# Allegro board KIT_PSE84_AI_PSOC_Edge_E84_AI_Board_Layout.brd (continued)
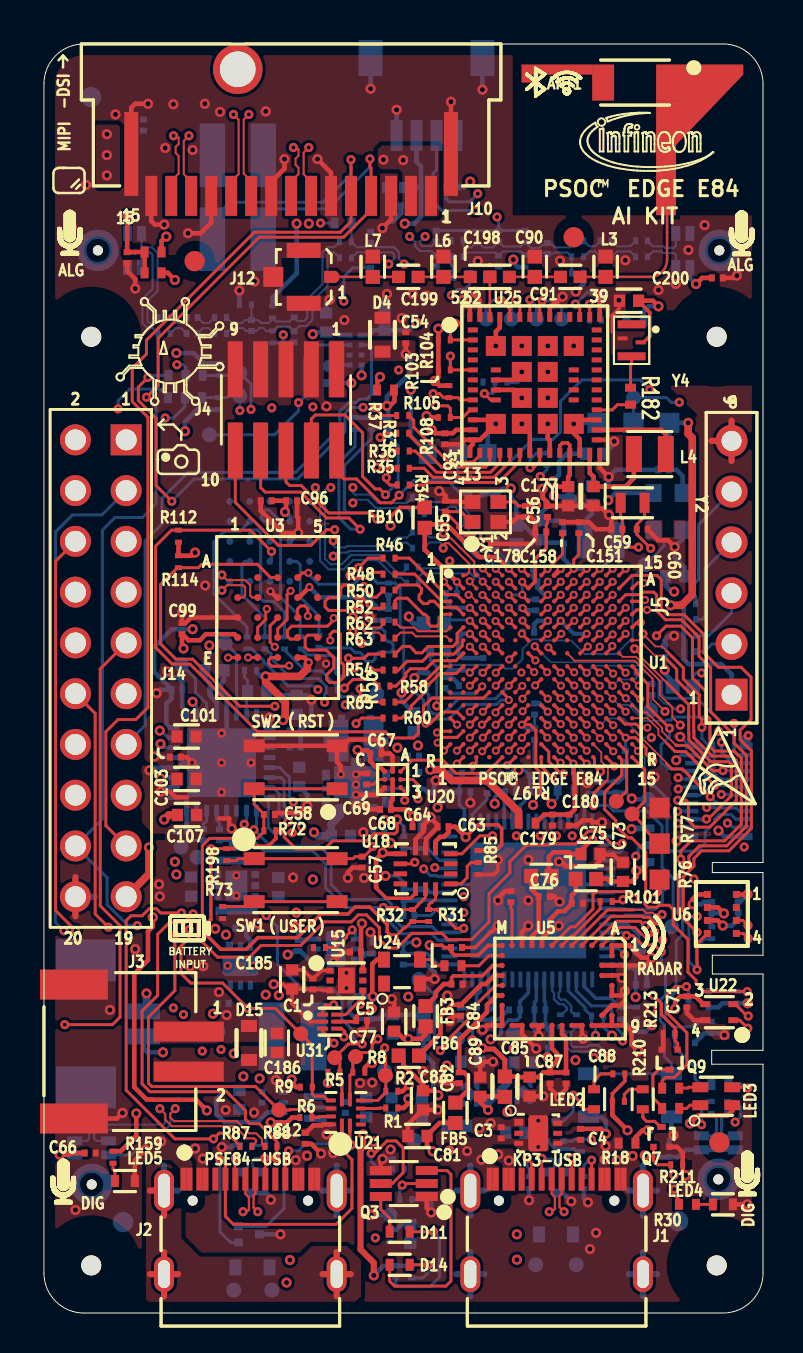
[diagram p0: board, top side]
## Nets (continued)
GND_EARTH: C13.1 J1.SH1 J1.SH2 J1.SH3 J1.SH4 J2.SH1 J2.SH2 J2.SH3 J2.SH4 R7.1
GND_SIGNAL: C1.1 C3.1 C4.1 C5.1 C6.1 C7.1 C8.1 C9.1 C11.1 C12.2 C13.2 C14.2 C16.2 C17.2 C21.2 C28.2 C30.2 C31.2 C35.2 C36.2 C37.2 C38.2 C39.2 C40.2 C41.2 C42.2 C43.2 C44.2 C45.2 C46.2 C47.2 C48.2 C49.2 C50.2 C51.2 C52.2 C53.2 C54.2 C55.2 C56.2 C57.2 C58.2 C59.1 C60.1 C61.2 C62.2 C63.1 C64.2 C65.2 C66.2 C67.2 C68.2 C69.2 C70.2 C71.2 C72.1 C73.2 C74.2 C75.2 C76.2 C77.2 C78.2 C79.2 C80.2 C81.2 C82.2 C83.2 C84.2 C85.2 C86.2 C87.2 C88.2 C89.2 C92.2 C93.2 C94.2 C95.2 C96.2 C97.2 C98.2 C99.2 C100.2 C101.2 C102.2 C103.2 C104.2 C107.2 C108.2 C109.2 C110.2 C111.2 C112.2 C113.2 C114.2 C115.2 C116.2 C118.2 C123.2 C124.2 C126.2 C136.2 C137.2 C138.2 C139.2 C140.2 C141.2 C142.2 C143.2 C144.2 C145.2 C146.2 C147.2 C148.2 C149.2 C150.2 C151.2 C152.2 C153.2 C154.2 C155.2 C156.2 C157.2 C158.2 C159.2 C160.2 C161.2 C162.2 C163.2 C164.2 C165.2 C166.2 C167.2 C168.2 C169.2 C170.2 C171.2 C172.2 C173.2 C174.2 C175.2 C176.2 C177.2 C178.2 C179.2 C180.2 C182.2 C183.2 C184.2 C185.2 C186.2 C189.2 C191.2 C194.2 C196.2 C197.2 C200.2 C203.1 C204.2 C205.2 D1.A D2.A D4.A D15.A J1.A1 J1.A12 J1.B1 J1.B12 J2.A1 J2.A12 J2.B1 J2.B12 J3.2 J3.SH1 J3.SH2 J4.3 J4.5 J4.7 J4.9 J5.6 J7.1 J7.SH1 J7.SH2 J8.SH1 J8.SH2 J10.3 J10.6 J10.9 J10.12 J10.15 J10.SH1 J10.SH2 J12.G1 J12.G2 J12.G3 J14.20 J16.3 J17.4 J17.SH1 J17.SH2 J17.SH3 J17.SH4 L2.1 L3.1 L6.1 L7.1 LED4.K(CATHODE) LED5.K(CATHODE) Q3.1 Q3.4(S) Q7.S Q8.S Q9.S Q10.S Q11.S R3.2 R4.2 R7.2 R11.2 R16.2 R22.1 R24.1 R27.1 R73.1 R77.2 R80.2 R84.2 R86.2 R110.1 R126.1 R135.1 R155.2 R173.1 R187.1 R191.1 R211.1 R212.1 R213.1 R214.1 R215.1 R216.2 SW2.3 SW2.4 SW3.3 SW3.4 TP2.1(TP) TP10.1(TP) TP17.1(TP) TP47.1(TP) U1.A9 U1.B5 U1.B13 U1.C8 U1.C10 U1.C11 U1.C12 U1.C13 U1.D3 U1.D7 U1.D9 U1.D11 U1.D12 U1.D13 U1.E8 U1.E12 U1.F3 U1.G13 U1.H3 U1.H12 U1.J13 U1.K12 U1.L3 U1.L8 U1.L13 U1.N3 U1.N10 U1.R7 U2.5 U2.7 U2.8 U2.9 U2.25 U2.43 U2.45 U2.58 U2.62 U2.63 U2.H U3.B3 U3.C1 U3.E5(VSSQ_2) U4.B3 U5.A1 U5.A2 U5.A3 U5.A4 U5.A5 U5.A6 U5.A7 U5.A8 U5.A9 U5.B3 U5.B4 U5.B8 U5.B9 U5.C9(VSSRF_9) U5.D9 U5.E9 U5.H9 U5.J9 U5.K1 U5.K9 U5.L9 U5.M7 U5.M9 U6.1 U6.7 U7.5 U8.4 U8.5 U9.4 U9.5 U10.4 U10.5 U13.8 U15.3(VSS) U15.H U18.6 U18.7 U19.3 U20.B1 U20.C3 U21.10 U22.4(VSS) U23.3(VSS) U23.H U24.2 U25.10 U25.12 U25.13 U25.19 U25.21 U25.24 U25.26 U25.27 U25.29 U25.39 U25.44 U25.49 U25.51 U25.52 U25.53 U25.55 U25.56 U25.58 U25.59 U25.60 U25.61 U25.66 U25.67 U25.68 U25.69 U25.70 U25.71 U25.72 U26.3(VSS) U26.H U27.3(VSS) U27.H U28.1 U28.16 U28.18 U28.20 U28.25 U28.29 U28.H U29.1 U29.6 U30.3 U31.2 U33.2 U33.5 U34.2 U34.5 U34.H U35.2 U35.5 U36.3 U40.4 Y1.2 Y1.4(GND_2) Y3.2 Y4.G
VBAT_IN: C9.2 C186.1 D15.K(CATHODE) J3.1 TP8.1(TP) U23.4 U23.6
VCC_1V8: C73.1 C75.1 C81.1 C83.1 C89.1 C196.1 FB1.1 FB2.1 FB4.1 FB5.1 FB6.1 FB7.1 J17.3 R124.1 R225.1 TP50.1(TP) U33.1(OUT)
VCC_3V3: C77.1 C191.1 FB3.1 J17.2 TP51.1(TP) U35.1(OUT)
VCC_IN: C3.2 C7.2 C8.2 C14.1 C16.1 L1.1 U23.1 U26.1 U27.1 U29.5 U29.7
VDD_1V8: C5.2 C61.1 C62.1 C63.2 C64.1 C65.1 C66.1 C67.1 C68.1 C70.1 C71.1 C96.1 C97.1 C98.1 C99.1 C111.1 C112.1 C113.1 C114.1 C197.1 C200.1 C204.1 J5.1 R2.1 R5.2 R6.1 R8.2 R9.1 R76.1 R79.1 R85.2 R112.2 R114.2 R123.2 R192.2 R193.2 R194.2 R195.2 R196.2 R203.2 R204.1 R205.1 R208.2 R224.1 TP49.1(TP) U3.B4 U3.D1 U3.E4 U4.B4 U6.6(VDDIO) U6.8 U7.2(VDD) U7.4 U8.2(VDD) U18.5(VDDIO) U18.8 U18.12 U20.B2 U20.B3(VDDIO) U20.C1 U22.3 U28.2 U28.3 U31.5 U34.3(VOUT) U34.8 U40.8(VCCB) Y3.1 Y3.4(VDD) Y4.P(VDD)
VDD_3V3: C27.1 C28.1 C94.1 C95.1 C107.1 C108.1 C109.1 C110.1 C194.1 C203.2 J7.2 J14.19 R15.1 R153.2 R159.2 R188.2 R197.2 R206.2 R207.2 R217.2 TP48.1(TP) U13.11 U25.22 U25.23 U28.17 U28.28 U33.3 U33.4 U40.1
VDD_5V: C6.2 C12.1 C17.1 C21.1 C30.1 C31.1 C101.1 C102.1 C103.1 C104.1 C182.1 C183.1 C184.1 C189.1 C205.1 J16.1 J17.1 LED3.4 R10.1 R174.2 R190.2 R209.2 R210.2 TP12.1(TP) U13.6 U13.7 U13.9(PVIN) U15.6 U21.12 U28.21 U28.24 U29.3(VOUT) U34.4 U34.6 U35.3 U35.4
VDDA_RADAR: C76.1 FB2.2 U5.J1
VDDD_RADAR: C74.1 FB1.2 U5.H1
VDDIO_RADIO: C93.1 R103.1 R104.1 R105.1 R106.1 R107.1 R108.1 R109.1 R203.1 U25.11
VDDLF_RADAR: C78.1 FB3.2 U5.M3
VDDPLL_RADAR: C84.1 FB6.2 U5.M4
VDDRF_RADAR: C85.1 C86.1 C87.1 C88.1 FB7.2 U5.F9 U5.G9 U5.M1
VDDVCO_RADAR: C82.1 FB5.2 U5.M6
A_IO_P13_0: J17.20 U1.G8
A_IO_P13_1: J17.18 U1.G9
A_IO_P13_2: J17.16 U1.G10
A_IO_P13_3: J17.14 U1.F15
A_IO_P13_4: J17.12 U1.G11
A_IO_P13_5: J17.10 U1.G14
A_IO_P13_6: J17.8 U1.H11
A_IO_P13_7: J17.6 U1.H15
A_IO_P15_0: J17.5 U1.L15
A_IO_P15_1: J17.7 U1.K13
A_IO_P15_2: J17.9 U1.M15
A_IO_P15_3: J17.11 U1.K9
A_IO_P15_4: J17.13 U1.N15
A_IO_P15_5: J17.15 U1.K10
A_IO_P15_6: J17.17 U1.P15
A_IO_P15_7: J17.19 U1.K11
ALT_SER_INT_CONFIG_1: R76.2 R77.1 TP66.1(TP) U1.R15
ALT_SER_INT_CONFIG_2: R79.2 R80.1 TP65.1(TP) U1.M12
AMIC1_CTB_INN: C121.2 R132.2 U1.H13
AMIC1_CTB_INP: C116.1 R128.2 R227.2 U1.H10
AMIC1_CTB_OUT: C121.1 C122.1 R133.2 U1.H9
AMIC1_CTB_REF: R227.1 U1.J10
AMIC2_CTB_INN: C129.2 R141.2 U1.J15
AMIC2_CTB_INP: C124.1 R137.2 R228.2 U1.J9
AMIC2_CTB_OUT: C129.1 C130.1 R142.2 U1.K15
AMIC2_CTB_REF: R228.1 U1.J14
AMIC_1V8: C118.1 C126.1 R124.2 R125.1 R134.1 R224.2 U9.2(VDD) U10.2(VDD)
BOOT: R189.1 U1.N8
BT_DEV_WAKE: R106.2 U1.D15 U25.40
BT_HOST_WAKE: R107.2 U1.D14 U25.41
BT_REG_ON: R105.2 U1.E14 U25.8
BT_UART_CTS_MCU_RTS: TP55.1(TP) U1.A14 U25.48
BT_UART_RTS_MCU_CTS: TP56.1(TP) U1.C15 U25.47
BT_UART_RX_MCU_TX: TP53.1(TP) U1.A13 U25.45
BT_UART_TX_MCU_RX: TP54.1(TP) U1.B15 U25.46
DISP_VDD_3V3: C136.1 J10.1 J10.2 R153.1
DSI_CLK_N: J10.11 R66.1
DSI_CLK_P: J10.10 R67.1
DSI_DATA0_N: J10.8 R70.1
DSI_DATA0_P: J10.7 R71.1
DSI_DATA1_N: J10.14 R68.1
DSI_DATA1_P: J10.13 R69.1
ECO_IN: C55.1 U1.B6 Y1.1
ECO_OUT: C56.1 U1.F8 Y1.3
EXT_CLK: R218.2 U1.P4
I2C_SCL_1V8: R32.1 R223.2 U1.H7 U2.38 U6.4 U18.13 U22.2 U28.10
I2C_SCL_3V3: J7.4 J10.5 J14.17 J16.2 R207.1 U1.M9
I2C_SDA_1V8: R31.1 R220.2 U1.J8 U2.39 U6.3 U18.14 U22.1 U28.9
I2C_SDA_3V3: J7.3 J10.4 J14.18 J16.4 R206.1 U1.R9
I2S_TX_FSYNC: U1.E5 U28.6
I2S_TX_MCK: U1.D4 U28.8
I2S_TX_SCK: U1.K7 U28.7
I2S_TX_SD: U1.E4 U28.5
I3C_SCL: R205.2 R222.2 TP71.1(TP) U1.M4
I3C_SDA: R204.2 R221.2 TP72.1(TP) U1.L6
IMU_INT1: U1.L5 U18.4
IMU_INT2: U1.P5 U18.9
JTAG_SEL: R109.2 R110.2 U25.57
KP_USB_DM: J1.A7 J1.B7 R28.1 U19.1
KP_USB_DP: J1.A6 J1.B6 R26.1 U19.2(K2)
KP_VBUS: C4.2 D1.K(CATHODE) J1.A4 J1.A9 J1.B4 J1.B9(VBUS_4) R18.2 TP1.1(TP) U27.4 U27.6
LPO_OUT_2FY: R182.2 U25.30
MAG_INT: U1.R5 U20.A1
MCU_UART_RX_KP3_TX: U1.R2 U2.20
MCU_UART_TX_KP3_RX: R29.1 U1.P2 U2.21
MCU_VDD_3V3: C139.1 C140.1 C141.1 C179.1 C180.1 R154.2 R197.1 U1.B11 U1.D10 U1.R10
MEMORY_RST: R208.1 U1.K5 U3.A4
P5LP1_2: SW3.1 SW3.2 U2.13
P5LP1_4: R30.2 U2.15
P5LP2_2: U2.64
P5LP2_3: U2.65
P5LP2_4: U2.66
P5LP_SIO_VREF: R21.2 R22.2 U2.48
P5LP_SWCLK: TP19.1(TP) U2.12
P5LP_SWDIO: TP20.1(TP) U2.11
P5LP_VCCD: C44.1 C45.1 U2.26 U2.57
P5LP_VDD: C35.1 C36.1 C37.1 C38.1 C39.1 C40.1 C41.1 C42.1 C46.1 C47.1 C48.1 C49.1 C50.1 C51.1 R18.1 R25.1 TP16.1(TP) U2.17 U2.24 U2.35 U2.44 U2.52 U2.59 U2.67
P5LP_XRES: TP18.1(TP) U2.10(X\R\E\S\)
P11_1: TP70.1(TP) U1.E11 U40.7
P11_1_IN_3V3: J14.13 U40.2
P16_0: J14.6 U1.M11
P16_1: J14.5 U1.R13
P16_2: J14.8 U1.N11
P16_3: J14.7 U1.L11
P16_4: J14.10 U1.P11
P16_5: J14.9 U1.L10
P16_6: J14.12 U1.R11
P16_7: J14.11 U1.M10
P17_2: J14.15 U1.R8
P17_3: J14.16 U1.P9
P17_4: J14.14 U1.P8
P17_5: J14.1 J14.3 U1.N9
P17_7: J14.2 J14.4 U1.L9
PDM_CLK: R88.2 R92.2 U1.E7
PDM_DATA: R87.2 R91.2 U1.G6
PE84_RST_L: C58.1 J4.10 R72.2 SW2.1 SW2.2 U1.D8 U2.3
PE84_SWCLK: J4.4 R200.2 U1.R6 U2.47
PE84_SWDIO: J4.2 R199.2 U1.P6 U2.46
PE84_SWO: J4.6 R201.2 U1.M6
PE84_TDI: J4.8 R202.2 U1.N6
PE84_USB_CC1: J2.A5 U21.1 U36.1
PE84_USB_CC2: J2.B5 U21.2 U36.2(K2)
PE84_USB_CF: R2.2 TP3.1(TP) U1.K8 U21.6(\V\C\O\N\N\_\F\A\U\L\T\)
PE84_USB_DIR: R6.2 TP5.1(TP) U1.M5 U21.11
PE84_USB_DM: J2.A7 J2.B7 U1.P7 U30.1
PE84_USB_DP: J2.A6 J2.B6 U1.N7 U30.2(K2)
PE84_USB_ID: R9.2 TP7.1(TP) U1.N5 U21.9 U31.1
PE84_USB_OUT1: R8.1 TP6.1(TP) U1.L4 U21.7
PE84_USB_OUT2: R5.1 TP4.1(TP) U1.N4 U21.8
PE84_VBUS: C1.2 C11.2 C185.1 D2.K(CATHODE) J2.A4 J2.A9 J2.B4 J2.B9(VBUS_4) R1.2 R219.2 TP9.1(TP) U15.1 U26.6
PE84_VCCD: C152.1 C165.1 C166.1 C167.1 C168.1 C169.1 L5.2 TP45.1(TP) U1.B1 U1.B9 U1.B12 U1.E9 U1.F11 U1.H4 U1.M8
PE84_VDDA: C146.1 C147.1 C148.1 C149.1 C170.1 FB9.2 U1.G12 U1.H14 U1.J11 U1.J12 U1.L12
PE84_VTARG: C54.1 C138.1 C150.1 C151.1 C175.1 D4.K(CATHODE) FB8.1 FB10.2 FB11.2 J4.1 R21.1 R23.1 R29.2 R31.2 R32.2 R72.1 R196.1 R198.1 R199.1 R200.1 R201.1 R202.1 R226.1 U1.A10 U1.A11 U1.B10 U1.D6
PSEN_INT: R84.1 U1.E10 U6.5
RF_OUT: C90.1 C198.1 U25.50
ROSC_IN_80MHZ: R102.2 U5.M2
RSPI_CLK: U1.L7 U5.B1
RSPI_CS: U1.C3 U5.G1
RSPI_IRQ: U1.N12 U5.C1
RSPI_MISO: U1.K6 U5.E1
RSPI_MOSI: U1.C5 U5.D1
RXRES_L: R101.1 U1.R12
SERIAL_INT0: J5.5 R192.1 U1.L14
SERIAL_INT1: J5.4 R193.1 U1.M13
SERIAL_INT2: J5.3 R194.1 U1.M14
SERIAL_INT3: J5.2 R195.1 U1.N13
SMIF0_CLKP: R61.1 U4.B2
SMIF0_CS: R112.1 U1.K4 U4.C2
SMIF0_DATA0: R45.1 U4.D3
SMIF0_DATA1: R47.1 U4.D2
SMIF0_DATA2: R49.1 U4.C4
SMIF0_DATA3: R51.1 U4.D4
SMIF1_CLKN: R63.2 U3.B1
SMIF1_CLKP: R62.2 U3.B2
SMIF1_CS: R114.1 U1.C4 U3.A3
SMIF1_DATA0: R46.2 U3.D3
SMIF1_DATA1: R48.2 U3.D2
SMIF1_DATA2: R50.2 U3.C4
SMIF1_DATA3: R52.2 U3.D4
SMIF1_DATA4: R54.2 U3.D5
SMIF1_DATA5: R56.2 U3.E3
SMIF1_DATA6: R58.2 U3.E2
SMIF1_DATA7: R60.2 U3.E1
SMIF1_RWDS: R65.2 U3.C3
USB_DEV_EN: Q3.5 R191.2 R219.1 U26.4 U31.4(Y)
USB_HOST_EN: Q3.2 R173.2 U15.4 U31.3 U31.6
USB_V_SENSE: R25.2 R27.2 U2.19
USER_BTN: C57.1 R198.2 SW1.1 SW1.2 U1.P3
USER_LED1: Q7.G R211.2 U1.C14
USER_LED2: Q8.G R212.2 U1.B14
USER_LED_RGB_B: Q11.G R215.2 U1.P12
USER_LED_RGB_G: Q10.G R214.2 U1.R14
USER_LED_RGB_R: Q9.G R213.2 U1.P13
USR_RGB_B: Q11.D R165.2
USR_RGB_G: Q10.D R157.1
USR_RGB_R: Q9.D R156.1
VTARG_MEAS: R23.2 R24.2 U2.32
WCO_IN: C60.2 U1.H8 Y2.1
WCO_OUT: C59.2 U1.G7 Y2.2
WL_BT_DEV_WAKE: R103.2 U1.E15 U25.5
WL_HOST_WAKE: R104.2 U1.F13 U25.2
WL_REG_ON: R108.2 U1.F14 U25.9(WL_REG_ON)
WL_SDIO_CLK: R38.2 U25.20
WL_SDIO_CMD: R33.2 U25.15
WL_SDIO_DATA0: R37.2 U25.14
WL_SDIO_DATA1: R36.2 U25.16
WL_SDIO_DATA2: R35.2 U25.17
WL_SDIO_DATA3: R34.2 U25.18
N17461053: TP21.1(TP) U5.M5
N17461288: C72.2 U5.L1
N17462113: C79.1 C80.1 FB4.2 U24.4(VCC)
N17462137: R102.1 U24.3
N17489317: R73.2 SW1.3 SW1.4
N17506591: R85.1 R86.1 U18.1
N17580471: C43.1 U2.53
N17581080: C52.1 U2.42
N17581130: R26.2 U2.22
N17581131: R28.2 U2.23
N17581135: C53.1 U2.31
N17604769: R101.2 U5.F1
N17606878: LED4.A R30.1
N17691977: C92.1 L4.1 U25.25
N17691999: L4.2 U25.28
N17694386: J8.1 U28.22 U28.26
N17694402: J8.2 U28.19 U28.23
N17694449: C100.1 R123.1 U28.31(\R\E\S\E\T\)
N17694464: TP22.1(TP) U28.27
N17694501: TP23.1(TP) U28.30
N17694590: C105.1 TP24.1(TP)
N17694592: C105.2 U28.13
N17694611: C106.2 U28.14
N17694617: C106.1 TP25.1(TP)
N17695662: C115.1 C119.1 R125.2 R126.2 R127.2 R128.1
N17695725: C117.2 R127.1
N17695747: R129.1 U10.1
N17695749: C117.1 R129.2
N17695799: R130.1 U10.3
N17695801: C120.1 R130.2
N17695803: C120.2 R131.1
N17695815: C119.2 C122.2 R131.2 R132.1 R133.1
N17695981: C123.1 C127.1 R134.2 R135.2 R136.2 R137.1
N17696044: C125.2 R136.1
N17696066: R138.1 U9.1
N17696068: C125.1 R138.2
N17696118: R139.1 U9.3
N17696120: C128.1 R139.2
N17696122: C128.2 R140.1
N17696134: C127.2 C130.2 R140.2 R141.1 R142.1
N17699019: C137.1 C142.1 C143.1 C144.1 C145.1 FB8.2 U1.A7 U1.B8 U1.F7 U1.G4 U1.P10
N17699233: FB9.1 R225.2 R226.2
N17699382: L5.1 U1.A12
N17699478: C153.1 C154.1 R154.1 U1.M7
N17699488: C155.1 TP46.1(TP) U1.K14
N17701248: C156.1 C157.1 C158.1 U1.A8(VLDO_SRAM) U1.F12 U1.K3
N17701334: C159.1 U1.C9
N17701356: C160.1 C161.1 C162.1 C163.1 C164.1 FB10.1 U1.A6 U1.B2 U1.E6 U1.E13 U1.N14 U1.R3
N17701674: C171.1 C172.1 C173.1 C174.1 FB11.1 U1.E3 U1.G3 U1.J3 U1.M3
N17701770: R155.1 U1.J6
N17701786: C176.1 C177.1 C178.1 U1.B7 U1.C6 U1.C7
N17708163: R33.1 U1.J5
N17708171: R34.1 U1.F5
N17708201: R35.1 U1.F4
N17708259: R36.1 U1.G5
N17708293: R37.1 U1.D5
N17708327: R38.1 U1.H5
N17708399: TP69.1(TP) U1.P14
N17708861: R45.2 U1.N2
N17708863: R46.1 U1.C2
N17708893: R47.2 U1.P1
N17708895: R48.1 U1.C1
N17708925: R49.2 U1.N1
N17708927: R50.1 U1.D2
N17708957: R51.2 U1.M2
N17708959: R52.1 U1.D1
N17708991: R54.1 U1.F2
N17709023: R56.1 U1.E2
N17709055: R58.1 U1.G2
N17709075: R60.1 U1.H2
N17709105: R61.2 U1.M1
N17709107: R62.1 U1.E1
N17709123: R63.1 U1.F1
N17709155: R65.1 U1.H1
N17709188: R66.2 U1.A4
N17709192: R67.2 U1.A5
N17709220: R68.2 U1.A3
N17709224: R69.2 U1.A2
N17709256: R70.2 U1.B4
N17709266: R71.2 U1.B3
N17713209: L1.2 U29.2
N17713383: R10.2 R11.1 U29.4
N17787194: J1.A5 R4.1
N17787196: J1.B5 R3.1
N17852597: R1.1 U21.5
N17861601: LED5.A R159.1
N17865809: U13.2 U13.3 U13.10
N17865831: C27.2 R15.2 R16.1 U13.5
N17879800: U34.1 U34.7
N17892556: R218.1 TP52.1(TP) Y3.3
N17899696: R187.2 R188.1 R189.2
N17920449: ANT1.1 C91.2 L3.2
N17920453: C90.2 C91.1 L2.2
N17920674: C198.2 C199.1 L6.2
N17920680: C199.2 J12.S(SIG) L7.2
N17936697: D11.A R174.1
N17936707: D11.K(CATHODE) Q3.6
N17937120: D14.A R190.1
N17937130: D14.K(CATHODE) Q3.3
N17947353: R182.1 Y4.O
N17989965: R88.1 U8.3
N17989977: R87.1 U8.1
N17990624: R92.1 U7.3
N17990639: R91.1 U7.1
N18038435: LED1.A R209.1
N18038437: LED2.A R210.1
N18038455: LED1.K(CATHODE) Q7.D
N18038457: LED2.K(CATHODE) Q8.D
N18039037: LED3.1(RED) R156.2
N18039056: LED3.2 R157.2
N18039072: LED3.3 R165.1
N18042757: R216.1 R217.1 U40.5
N18094677: R220.1 R221.1 U20.A2
N18094686: R222.1 R223.1 U20.A3
N18095156: C69.1 U20.C2

Pads without a net: ANT1 2; J1 A8 B8; J2 A8 B8; U1 F6 F9 F10 H6 J1 J2 J4 J7 K1 K2 L1 L2 R4; U2 1 2 4 6 14 16 18 27 28 29 30 33 34 36 37 40 41 49 50 51 54 55 56 60 61 68; U3 A2 A5 B5 C2 C5; U4 A2 A3 A4 A5 B1 B5 C1 C3 C5 D1 D5 E1 E2 E3 E4 E5; U6 2; U13 1 4; U15 2 5; U18 2 3 10 11; U21 3 4; U23 2 5; U24 1; U25 1 3 4 6 7 31 32 33 34 35 36 37 38 42 43 54 62 63 64 65; U26 2 5; U27 2 5; U28 4 11 12 15 32; U40 3 6; Y4 N

## Via types
v1: diameter 0.406, hole 0.203, TOP to BOTTOM, 208 vias
v2: diameter 0.457, hole 0.203, TOP to BOTTOM, 222 vias
v3: diameter 0.508, hole 0.254, TOP to BOTTOM, 318 vias
v4: diameter 0.45, hole 0.2, TOP to BOTTOM, 5 vias

## Routing (per net, layer and track width the routed paths; a pad name or vN(x,y) marks a point on that pad's centre or on a via; arc(x,y) is an arc through that point)
GND_EARTH: length 39.4
  TOP w0.305: 6.01,4.87 J2.SH1 5.31,6.12 ; 13.95,1.94 J2.SH4 ; J2.SH4 15.36,1.94 ; J2.SH4 14.65,0.84 ; J2.SH4 14.65,3.05 ; J2.SH3 6.01,3.05 ; J2.SH3 5.31,1.94 ; J2.SH3 6.01,0.84 ; J2.SH3 6.72,1.94
  BOTTOM w0.305: J2.SH3 6.72,1.94 ; J2.SH3 6.01,3.05 ; J2.SH3 5.31,1.94 ; J2.SH3 6.01,0.84 ; 13.95,6.12 J2.SH2 ; J2.SH2 14.65,4.87 ; J2.SH2 15.36,6.12 ; J2.SH2 14.65,7.38 ; 29.28,6.12 J1.SH2 ; J1.SH2 29.98,4.87 ; J1.SH2 30.69,6.12 ; J1.SH2 29.98,7.38 ; J2.SH1 6.01,7.38 ; J2.SH1 6.72,6.12 ; J2.SH1 6.01,4.87 ; J2.SH1 5.31,6.12 ; J1.SH3 21.34,3.05 ; J1.SH3 20.64,1.94 ; J1.SH3 21.34,0.84 ; J1.SH3 22.05,1.94 ; 13.95,1.94 J2.SH4 ; J2.SH4 14.65,3.05 ; J2.SH4 14.65,0.84 ; J2.SH4 15.36,1.94 ; 29.98,0.84 J1.SH4 ; J1.SH4 29.28,1.94 ; J1.SH4 30.69,1.94 ; J1.SH4 29.98,3.05 ; 20.64,6.12 J1.SH1 ; J1.SH1 22.05,6.12 ; J1.SH1 21.34,4.87 ; J1.SH1 21.34,7.38
GND_SIGNAL: length 385.1
  TOP w0.15: U1.C8 v1(25.22,35.94) ; U1.N10 v1(26.52,28.79) ; v1(23.97,35.27) 23.97,35.24 U1.D7 ; U1.D3 v1(21.32,35.29) ; U1.D12 v1(27.82,35.29) ; v1(25.86,35.26) 25.84,35.26 U1.D9 ; v1(28.45,33.38) 28.45,33.32 U1.G13 ; U1.L13 v1(28.47,30.09) ; U1.C13 v1(28.47,35.94) ; U1.C12 v1(27.82,35.94) ; U1.L3 v1(21.32,30.09) ; U1.N3 v1(21.32,28.79) ; U1.J13 v1(28.47,31.39) ; U1.C10 v1(26.52,35.94) ; U1.B13 v1(28.47,36.59) ; U1.D13 v1(28.47,35.29) ; U1.H12 v1(27.82,32.04) ; U1.L8 v1(25.22,30.09) ; U1.E8 v1(25.22,34.64) ; U1.B5 22.62,36.59 v1(22.62,36.59) ; U1.C11 v1(27.17,35.94) ; U1.E12 v1(27.82,34.64) ; U1.D11 v1(27.17,35.29) ; U1.K12 v1(27.82,30.74) ; U1.F3 v1(21.32,33.99) ; U1.H3 v1(21.32,32.04)
  TOP w0.178: v3(15.89,14.05) 16.18,14.33 C5.1 ; v3(11.5,16.45) 11.97,16.45 12.22,16.21 C185.2 ; v3(22.72,19.37) 22.41,19.06 22.36,19.06 21.59,18.29 C86.2 ; R86.2 22.53,21.94 22.72,22.14 v3(22.72,22.68) ; C185.2 12.92,16.21 12.95,16.19 C1.1 13.9,16.19 13.95,16.14 U15.3 ; C185.2 12.42,15.47 13.31,14.58 U31.2 ; 28.45,49.1 28.45,49.92 28.8,50.28 28.8,50.42 28.81,50.42 C200.2
  TOP w0.229: v3(19.38,5.03) 19.16,5.25 Q3.1 ; U5.K1 23.93,18.74 23.91,18.76 23.91,19.04 v3(24.25,19.37) ; U25.13 21.32,43.32 21.47,43.47 U25.12 ; U5.A8 U5.A9 ; U5.A9 U5.B9 U5.C9 ; U5.A9 29.12,14.39 29.41,14.1 29.41,13.44 v3(29.75,13.11) ; v1(15.62,25.43) 16.04,25.43 16.27,25.2 C68.2 ; v3(25.96,50.85) 25.63,50.52 25.53,50.52 25.32,50.3 U25.44 ; 7.14,25.81 6.59,25.81 6.31,26.08 v3(5.84,26.08) ; v3(16.95,7.71) 16.95,7.61 16.86,7.52 Q3.4 ; 15.27,18.01 C6.1 14.97,18.06 v1(14.5,17.59) ; v3(21.56,51.11) 21.56,50.91 21.82,50.66 U25.51 ; J10.3 17.37,54.71 v3(16.94,54.28) ; C12.2 13.38,8.46 v3(13.87,7.98) ; v3(3.93,10.01) 3.65,9.73 J3.SH2 ; C77.2 17.53,15.5 17.48,15.55 17.48,15.64 v3(17.41,15.71) ; v3(13.69,57.74) 14.37,57.05 J10.6 ; v3(19.36,24.8) 19.36,24.77 ; 19.36,24.77 19,24.41 C64.2 19,24.09 18.6,23.7 U18.7 ; 19.36,24.77 19.7,24.42 C63.1 19.7,24.31 19.13,23.73 19.13,23.26 U18.6 ; SW2.4 SW2.3 ; SW2.3 14.97,28.38 15.28,28.69 16.66,28.69 16.89,28.46 C67.2 17.32,27.99 17.45,27.86 U20.B1 ; SW2.3 14.67,27.56 14.86,27.37 v1(14.86,26.95) ; C85.2 v3(25,10.84) ; Q7.S 31.69,8.31 31.97,8.03 R211.1 31.97,7.03 v3(32.12,6.89) ; v3(25.22,44.49) 25.22,43.77 25.32,43.67 U25.21 ; Y1.2 23.47,39.58 23.72,39.83 C56.2 24.36,39.83 24.59,39.6 C178.2 24.59,38.69 24.39,38.48 v3(22.12,38.48) ; C87.2 25.33,11.24 v3(25.78,10.8) 25.78,10.85 26.13,11.2 C88.2 ; U5.A2 U5.A1 29.29,18.39 29.9,17.78 v3(30.4,17.78) ; v3(19.56,16.71) 19.05,16.71 U24.2 ; Q9.S 30.99,13.25 R213.1 ; U5.B3 U5.A3 30.1,17.39 30.54,17.83 ; v3(22.62,48.39) 22.62,49.1 22.82,49.3 U25.49 ; C180.2 26.68,24.39 26.94,24.65 27.37,24.65 27.46,24.56 v3(27.93,24.56) ; U25.39 27.82,51.02 ; 10.23,19.49 v3(10.7,19.49) ; U25.55 23.52,46.69 v3(23.92,47.09) ; C57.2 15.44,22.29 15.21,22.06 v3(15.21,21.77) ; U6.7 33.74,20.29 v3(34.04,19.99) ; v3(24.64,13.23) 23.93,13.94 U5.K9 U5.L9 ; v3(9.4,24.24) 9.4,24.31 9.27,24.43 9.27,24.74 8.76,24.74 ; v3(19.78,41.13) 19.86,41.13 20.09,40.9 20.09,40.65 ; 20.09,40.65 20.13,40.61 20.8,40.61 20.83,40.58 Y1.4 ; 20.09,40.65 C55.2 ; C84.2 20.55,14.87 20.32,14.64 v3(20.32,14.6) ; v3(5.21,60.5) 4.56,60.5 4.37,60.31 J10.SH2 ; v3(31.57,38.33) 31.24,38.66 30.75,38.66 30.22,39.19 C60.1 ; U5.J9 U5.H9 24.77,14.23 v3(24.77,13.85) ; v3(19.71,10.16) C83.2 18.95,10.16 18.22,9.43 C81.2 ; v3(23.92,45.79) 23.52,46.19 U25.56 ; U3.C1 7.36,34.8 7.08,34.52 C99.2 v3(6.91,35.05) ; C73.2 28.88,22.55 28.5,22.94 27.89,22.94 27.86,22.96 C75.2 27.84,22.63 27.56,22.35 26.14,22.35 25.91,22.58 v3(25.78,22.58) ; v3(35.22,20.94) U6.1 ; v3(28.55,43.61) 28.35,43.61 28.27,43.69 U25.27 ; v3(28.93,16.77) 28.93,16.79 28.83,16.89 U5.A4 U5.B4 ; U25.29 26.72,44.69 v3(26.52,44.49) 26.52,44.02 26.82,43.72 U25.24 ; C4.1 27.88,9.22 v3(28.13,8.97) ; U5.A5 U5.A6 28.86,15.89 v3(29.08,16.11) 29.08,15.64 28.83,15.39 U5.A7 U5.B8 ; C82.2 20.13,11.49 v3(19.97,11.66) ; C104.2 7.14,27.81 v4(7.42,27.53) ; v3(20.95,50.67) 21.32,50.31 U25.52 ; U5.E9 U5.D9 26.93,13.78 v3(26.99,13.72) ; U20.C3 16.69,25.93 v1(15.62,25.93) ; v3(6.02,54.46) 5.55,54.46 5.37,54.64 J10.15 ; U3.B3 11.65,35.8 11.34,36.11 v1(11.33,36.11) ; v3(22.48,12.57) 22.07,12.57 21.84,12.35 C89.2 ; v3(21.95,14.17) 22.17,14.39 U5.M9 U5.M7 ; LED5.K 4.55,7.65 v3(5.08,8.18) ; U25.19 24.32,44.09 v3(23.92,44.49) ; C97.2 10.85,40.15 11.97,39.03 v3(12.73,39.03) 12.73,39.8 12.67,39.85 C96.2 ; U25.26 27.82,42.29 v3(28.27,41.83) ; C71.2 32.18,15.01 32.54,14.65 U22.4 ; U25.12 21.82,43.69 v3(22.62,44.49) 22.42,44.69 U25.10 ; U25.12 21.07,43.69 20.85,43.46 C93.2 ; J10.12 8.37,54.56 7.84,54.03 v3(7.21,54.03) ; C76.2 25.55,20.83 v3(25.81,20.58) ; v3(22.72,20.64) 22.72,20.74 23.08,21.1 C72.1 ; 20.95,16.36 C78.2 ; C158.2 C151.2 27.28,39.57 27.64,39.22 C59.1 28.4,39.79 28.3,39.9 28.3,39.91 v3(28.28,39.93) 27.95,40.26 27.64,40.26 C92.2 C95.2 25.59,40.39 25.59,40.38 C177.2 25.2,40.56 24.96,40.8 v3(24.96,41.24) ; C69.2 15.67,27 v1(15.62,26.95) ; LED4.K v3(35.2,5.44) ; J10.SH1 v3(20.37,60.6) ; C58.2 11.63,25.02 12.83,25.02 v3(13.18,25.38) ; v3(4.57,51.26) 4.57,51.73 4.17,52.13 C118.2 ; J10.9 11.37,56.6 12.04,57.26 v3(12.04,57.74) ; 32.26,53.19 v3(32.26,53.19) ; C126.2 34.57,51.79 v3(34.68,51.91)
  TOP w0.254: U1.A9 v1(25.87,37.24)
  TOP w0.305: 34.42,42.63 J5.6 ; J5.6 33.41,43.64 ; J5.6 34.42,44.64 ; 1.58,21.81 J14.20 1.58,19.85
  L02_GND w0.089: 28.83,33.63 28.79,33.67 28.79,34.87 28.83,34.9 ; 27.38,31.09 27.38,31.14 27.49,31.25 27.49,31.66 27.58,31.75 ; 28.14,34.32 28.14,33.71 ; 28.93,34.9 28.98,34.96 29.43,34.96 ; 26.9,34.32 26.9,34.31 27.48,34.31 ; 26.21,36.83 26.19,36.81 26.19,36.21 ; 29.54,31.65 29.31,31.65 29.28,31.68 29.02,31.68 28.99,31.65 28.85,31.65 ; 23.09,36.91 24.18,36.91 ; 22.19,36.26 21.63,36.26 ; 27.41,29.11 26.92,29.11 ; 28.83,30.51 28.83,30.6 28.8,30.63 28.8,30.89 28.83,30.92 28.83,31.04 ; 25.63,36.86 25.54,36.77 25.54,36.38 25.63,36.3 ; 27.4,30.4 26.4,30.4 26.37,30.43 25.55,30.43 ; 23.05,36.26 24.17,36.26 ; 25.54,29.75 25.54,29.33 25.73,29.14 26.15,29.14 ; 22.2,36.91 22.11,36.91 22.1,36.92 21.83,36.92 21.81,36.91 21.46,36.91 ; 26.84,27.18 26.82,27.15 ; 28.14,36.93 28.14,37.57 ; 26.15,28.46 24.96,28.46 ; 26.94,28.46 27.55,28.46
  L02_GND w0.102: 28.14,29.74 28.14,29.55 28.16,29.52 28.16,29.25 28.14,29.23 28.14,29.06 ; 28.04,28.45 28.83,28.45
  L02_GND w0.152: 27.2,27 27.79,27.59 ; 28.36,27.71 29.01,27.71 ; 22.75,36.59 v1(22.62,36.59)
  L02_GND w0.305: J5.6 34.42,44.64 ; J5.6 34.42,42.63 ; J5.6 33.41,43.64 ; J14.20 1.58,21.81 ; J14.20 1.58,19.85 ; J14.20 2.56,20.83
  L03_SIG1 w0.229: v3(6.17,32.11) 7.47,32.11 8.89,30.68 v4(8.89,29.01)
  L04_SIG2 w0.381: v3(1.4,54.33) 3.63,56.57 17.57,56.57 18.71,57.71 22.19,57.71 22.57,57.33 22.57,55.92 23.19,55.3 23.19,54.69 23.62,54.26 32.35,54.26 32.52,54.43 v3(33.07,54.43)
  L05_PWR w0.305: 34.42,42.63 J5.6 ; J5.6 34.42,44.64 ; J5.6 33.41,43.64
  BOTTOM w0.089: v1(28.47,31.39) 28.78,31.7 29.57,31.7 29.66,31.79 C149.2 30.14,32.06 30.43,31.76 C155.2
  BOTTOM w0.15: 27.64,4.12 v3(27.64,4.01) ; U8.4 4.38,7.91 4.65,8.18 v3(5.08,8.18)
  BOTTOM w0.152: v3(31.85,28.83) 32.29,28.39 J17.SH2 32.78,28.39 32.9,28.27 32.9,28.13 32.93,28.1 32.93,27.75 32.94,27.75 32.94,27.67 32.78,27.51 J17.4
  BOTTOM w0.178: U2.58 23.45,25.58 23.62,25.75 C45.2 ; v3(25.78,22.58) 26.35,22.58 26.69,22.24 U2.5 ; v3(25.77,19.37) 27.04,20.64 U2.9 ; v3(24.77,13.85) 24.77,13.89 24.55,14.11 C39.2 C40.2 24.55,15.54 24.65,15.63 U2.25 ; C53.2 22.11,14.68 22.09,14.66 R24.1 ; C53.2 22.47,14.5 22.15,14.17 21.96,14.17 v3(21.95,14.17) ; C53.2 22.75,14.68 23.25,15.17 C44.2 ; C9.1 8.69,15.21 v3(8.46,14.97) ; C38.2 C37.2 ; C46.2 v3(21.34,25.53) ; C51.2 C50.2 27.3,26.59 27.23,26.52 v3(27.18,26.52) ; U2.8 26.28,21.04 v3(25.81,20.58) ; U2.45 21.49,21.44 v3(22.72,22.68) ; C49.2 24.87,26.49 24.86,26.51 C48.2 ; 35.26,28.88 v2(35.26,28.89) ; v3(24.25,20.64) 25.05,21.44 U2.7 ; C36.2 19.3,20.65 19.3,20.64 U2.43 ; R212.1 26.66,8.08 26.54,8.21 25.6,8.21 25.21,8.59 Q8.S
  BOTTOM w0.229: R84.2 C65.2 34.01,20.02 34.03,19.99 v3(34.04,19.99) ; C203.1 17.04,50.86 v3(17.17,50.99) ; v3(19.36,24.8) 19.32,24.77 19.13,24.77 18.81,24.45 R22.1 ; v3(15.89,14.05) 16.01,14.17 C80.2 ; v3(34.06,13.91) 33.96,14 R215.1 33.06,14 32.89,13.83 32.88,13.83 32.58,13.53 Q11.S ; C70.2 31.29,8.66 v3(31.52,8.89) 31.52,9 31.41,9.11 SW3.3 ; U28.25 7.14,30.11 6.93,30.32 C102.2 6.93,31.58 6.74,31.77 6.5,31.77 v3(6.17,32.11) ; C176.2 24.05,35.16 23.97,35.24 v1(23.97,35.27) ; C113.2 13.18,25.94 v3(13.18,25.38) ; C138.2 26.01,39.43 25.79,39.65 C150.2 24.92,40.07 25.11,40.26 25.11,40.63 24.96,40.77 v3(24.96,41.24) ; R11.2 9.45,8.38 9.37,8.3 v3(8.9,8.3) ; 24.56,27.53 C154.2 ; v3(22.12,38.48) 22.12,38.48 22.37,38.73 C164.2 ; v3(26.52,44.49) 26.57,44.54 R80.2 ; R4.2 v3(24.28,5.64) ; v3(26.39,5.59) 25.98,6 U19.3 ; v1(21.32,32.04) 21.31,32.03 21.19,32.16 20.3,32.16 20.07,31.93 C157.2 20.08,31.8 20.42,31.8 20.77,31.46 C174.2 ; v3(12.59,19.31) 12.73,19.18 C8.1 13.13,18.67 13.18,18.71 U26.3 ; v3(28.55,43.61) 28.55,43.48 C94.2 ; C153.2 24.8,30.5 v1(25.22,30.09) ; R110.1 23.69,46.58 23.92,46.81 v3(23.92,47.09) ; v3(35.23,15.5) R214.1 33.96,15.5 33.76,15.3 Q10.S ; C36.2 C35.2 18.02,19.92 C52.2 ; C13.2 17.91,4.44 17.62,4.16 R7.2 17.32,4.19 TP17.1 v3(16.38,4.9) ; C143.2 24.48,36.81 C137.2 24.69,36.29 25.05,35.94 v1(25.22,35.94) ; v3(35.22,20.94) 34.87,20.6 C62.2 ; C136.2 17.85,55.01 17.46,54.61 17.27,54.61 v3(16.94,54.28) ; U36.3 v3(11.84,3.94) ; v3(5.28,27.15) 5.41,27.28 U28.20 6.71,27.28 6.96,27.53 v4(7.42,27.53) 7.42,26.06 7.14,25.78 U28.16 7.14,24.53 7.13,24.52 C108.2 ; 30.26,15.23 v3(30.4,15.23) ; C146.2 31.06,33.66 31.29,33.88 v3(31.54,33.88) ; v3(16.34,19.05) 16.34,18.92 16.46,18.8 C11.1 ; v1(26.52,28.79) 26.52,28.72 C144.2 ; R3.2 27.03,5.74 v3(27.23,5.54) ; v3(28.13,8.97) 28.13,9.59 27.9,9.82 SW3.4 ; U4.B3 v3(12.73,39.03) ; R173.1 19.19,5.69 19.38,5.5 v3(19.38,5.03) ; U40.4 v3(15.9,46.91) ; v4(8.89,29.01) 9.14,29.26 U28.29 9.14,30.81 8.86,31.09 C110.2 8.86,31.49 9.01,31.65 C109.2 ; v3(18.54,31.78) 18.54,31.8 18.77,32.03 R155.2 ; C28.2 18.49,30.05 17.91,30.63 v3(17.91,31.04) ; v1(21.32,35.29) 20.44,35.29 20.12,35.6 C161.2 ; v3(11.36,5.67) 11.36,5.78 11.13,6 U30.3 ; C142.2 24.53,34.45 24.71,34.64 v1(25.22,34.64) ; U28.1 v3(11.29,29.8) ; C51.2 28.76,26.59 29.11,26.94 C160.2 ; v3(19.56,16.71) 19.56,17.03 19.16,17.43 C38.2 ; v1(24.74,9.63) 24.74,9.19 24.57,9.02 C194.2 ; C152.2 27.48,41.35 28.04,41.35 28.27,41.58 v3(28.27,41.83) 28.63,42.19 C61.2 30.74,42.22 ; v3(14.3,50.7) 14.12,50.52 C204.2 ; J7.SH1 v3(16.35,61.26) ; C98.2 16.83,34.68 16.81,34.66 16.45,34.66 v3(16.31,34.8) ; J17.SH3 34.07,23.84 v3(33.76,24.14) ; J7.1 v3(17.65,60.2) ; v3(22.62,44.49) 22.21,44.08 R187.1 ; 21.72,52.63 v3(21.72,52.64) ; Y3.2 31.97,38.72 v3(31.57,38.33) 31.57,37.8 32.08,37.29 C139.2 ; R126.1 v3(9.78,51.16) ; v3(26.62,51.11) 27.02,51.5 R135.1 ; v3(10.7,19.49) 10.46,19.25 C7.1 10.13,18.85 10.33,18.65 U23.3 ; C163.2 19.97,27 v3(19.61,26.65) 19.53,26.56 C47.2 19.2,26.06 19.03,26.23 R16.2 ; v3(5.84,26.08) 6.04,26.28 U28.18 ; C145.2 20.96,32.77 20.73,33 20.73,33.76 20.96,33.99 v1(21.32,33.99) ; v1(24.74,8.31) 24.74,8.33 25,8.59 Q8.S ; C114.2 C112.2 12.85,29.15 13.39,29.68 v3(13.39,30.68) 13.16,30.91 C111.2 11.85,30.91 11.65,31.12 C100.2 ; C45.2 23.62,26.48 v3(23.47,26.63) 23.44,26.59 22.21,26.59 C43.2 ; C41.2 C42.2 ; 17.51,7.72 17.49,7.72 17.48,7.71 v3(16.95,7.71) ; J7.SH2 v3(21.95,61.21)